# Altium PCB miniBackplane.PcbDoc (part 4 of 24)
Units mil, origin at the board's own origin, x right, y up, seen from the top; angles counter-clockwise.
Board outline 17285.63 x 8582.68 mil, 6 copper layers (Top Layer, Mid-Layer 1, GND, PWR, Mid-Layer 2, Bottom Layer), stack 62.362 mil thick; 519 components, 474 nets, 2434 pads, 1493 vias.
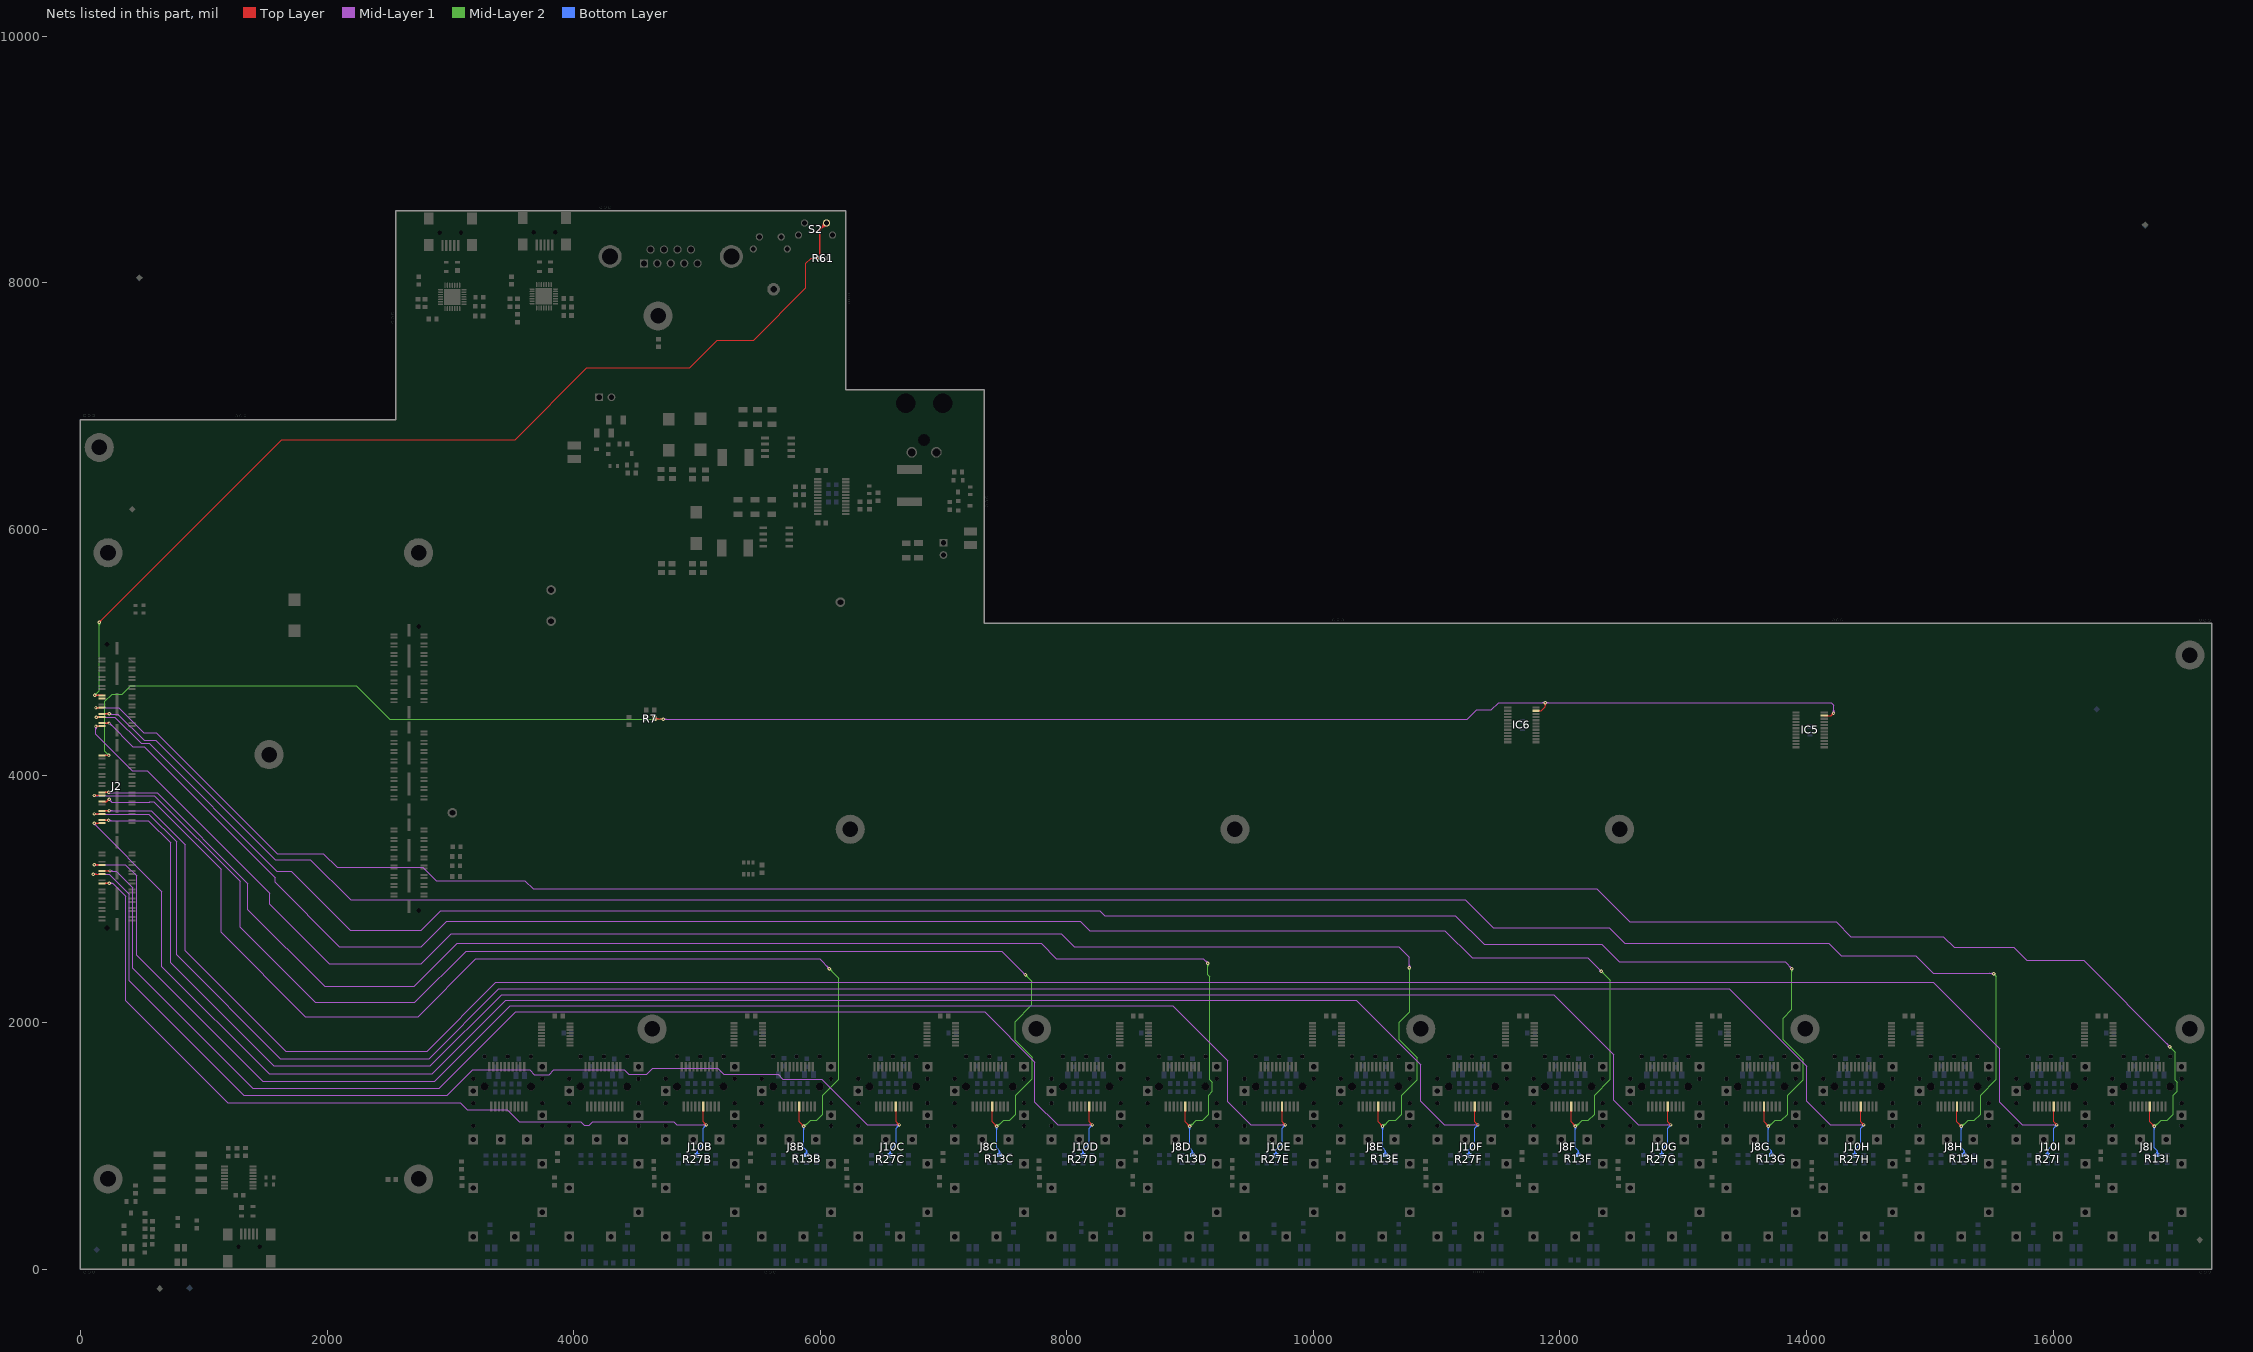
[diagram p8: the nets of this part, all layers, seen from the top]

## Via types
v1: diameter 27.56, hole 11.81, Top Layer to Bottom Layer, tented both sides, 1347 vias
v2: diameter 23.62, hole 11.81, Top Layer to Bottom Layer, tented both sides, 146 vias

## Nets (pads, with @x,y where several pads share a name; then routed paths per layer and width w, separated by ;. In a path a pad name is that pad's centre, name@x,y a point inside that pad or via, vN(x,y) a via of type N, cw(c..) or ccw(c..) an arc to the next point about the centre after c; other vN are vias at no path point) (continued)
ARM_2V5_GPIO_PD14: J2.79 R61.2 S2.1 | length 8955
  Top Layer w7.87: v1@151.61,5246.93 ccw(c147.83,5265.34) 165.99,5260.48 ; v1(152,5245) 1634,6727 3526,6727 4108,7309 4941,7309 5167,7535 5461,7535 5884,7958 5884,8157 5926,8199 R61.2@5995.5,8199 ; v1@153.93,5244.61 cw(c172.34,5240.83) 167.48,5258.99 ; 168.8,5261.8 ccw(c185.6,5245) 161.84,5245 cw(c185.6,5245) 168.8,5261.8 ; 168.8,5261.8 cw(c152,5278.6) 152,5254.84 ccw(c152,5278.6) 168.8,5261.8 ; 5962.24,8199 ccw(c5962.24,8232.27) 5985.76,8208.74 cw(c5962.24,8232.27) 5962.24,8199 ; 5962.24,8199 cw(c5962.24,8165.73) 5985.76,8189.26 ccw(c5962.24,8165.73) 5962.24,8199
  Top Layer w11.81: v1@115,4653 v1(115.79,4653.79) J2.79@174.94,4653.79 ; R61.2@5995.5,8199 5995.5,8429.5 S2.1@6051,8485 ; 6019.4,8455.24 cw(c6059.28,8444.55) S2.1@6051,8485 ; 6021.24,8453.4 ccw(c6010.55,8493.28) S2.1@6051,8485 ; 134.8,4653.79 ccw(c134.8,4634.78) 121.36,4648.22 cw(c134.8,4634.78) 134.8,4653.79 ; 134.8,4653.79 cw(c134.8,4672.8) 121.36,4659.36 ccw(c134.8,4672.8) 134.8,4653.79 ; 5995.5,8229.48 ccw(c6024.02,8229.48) 6003.86,8209.32 cw(c6024.02,8229.48) 5995.5,8229.48 ; 5995.5,8229.48 cw(c5966.99,8229.48) 5987.15,8209.32 ccw(c5966.99,8229.48) 5995.5,8229.48 ; 6010.67,8444.67 ccw(c5970.35,8485) 6027.38,8485 cw(c5970.35,8485) 6010.67,8444.67 ; 6010.67,8444.67 cw(c6051,8404.35) 6051,8461.38 ccw(c6051,8404.35) 6010.67,8444.67
  Mid-Layer 2 w7.09: v1(115.79,4653.79) 152,4690 v1(152,5245) ; 133.27,4671.27 ccw(c150.74,4653.79) 126.03,4653.79 cw(c150.74,4653.79) 133.27,4671.27 ; 133.27,4671.27 cw(c115.79,4688.74) 115.79,4664.03 ccw(c115.79,4688.74) 133.27,4671.27 ; 152,5220.29 ccw(c127.29,5220.29) 144.76,5237.76 cw(c127.29,5220.29) 152,5220.29 ; 152,5220.29 cw(c176.71,5220.29) 159.24,5237.76 ccw(c176.71,5220.29) 152,5220.29
ARM_2V5_GPIO_PD15: J2.77
ARM_2V5_GPIO_PE0: J2.39 J10I.6 R27I.1 | length 19169.6
  Top Layer w7.87: J2.39@174.94,3716.29 v1(232.04,3716.29) ; J10I.6@16005.71,1320.05 16005.71,1193.61 v1(16030.69,1168.62) ; 16015.22,1182.61 cw(c16010.35,1164.46) v1@16028.76,1168.23 ; 16016.7,1184.1 ccw(c16034.86,1188.96) v1@16031.09,1170.55 ; 205.12,3716.29 ccw(c205.12,3706.79) 198.39,3713.51 cw(c205.12,3706.79) 205.12,3716.29 ; 205.12,3716.29 cw(c205.12,3725.8) 198.39,3719.08 ccw(c205.12,3725.8) 205.12,3716.29 ; 208.28,3716.29 ccw(c208.28,3740.05) 225.08,3723.25 cw(c208.28,3740.05) 208.28,3716.29 ; 208.28,3716.29 cw(c208.28,3692.53) 225.08,3709.33 ccw(c208.28,3692.53) 208.28,3716.29 ; 16005.71,1274.6 ccw(c15991.45,1274.6) 16001.53,1284.68 cw(c15991.45,1274.6) 16005.71,1274.6 ; 16005.71,1274.6 cw(c16019.97,1274.6) 16009.88,1284.68 ccw(c16019.97,1274.6) 16005.71,1274.6 ; 16013.89,1185.42 ccw(c16030.69,1202.23) 16030.69,1178.46 cw(c16030.69,1202.23) 16013.89,1185.42 ; 16013.89,1185.42 cw(c15997.09,1168.62) 16020.85,1168.62 ccw(c15997.09,1168.62) 16013.89,1185.42
  Mid-Layer 1 w7.09: v1@232.04,3716.54 575.46,3716.54 850.39,3441.61 850.39,2582.68 1665.35,1767.72 2811.02,1767.72 3369.09,2325.79 15028.39,2325.79 15566.75,1787.43 15566.75,1353.25 15751.38,1168.62 v1(16030.69,1168.62) ; 16005.98,1168.62 ccw(c16005.98,1193.33) 16023.45,1175.86 cw(c16005.98,1193.33) 16005.98,1168.62 ; 16005.98,1168.62 cw(c16005.98,1143.91) 16023.45,1161.38 ccw(c16005.98,1143.91) 16005.98,1168.62 ; v1@239.28,3709.05 cw(c257.34,3690.99) 257.34,3716.54 ccw(c257.34,3690.99) v1@239.28,3709.05 ; v1@239.28,3723.53 ccw(c256.16,3740.41) 256.16,3716.54 cw(c256.16,3740.41) v1@239.28,3723.53
  Bottom Layer w7.87: R27I.1@15956.38,922.53 15956.38,969.31 16005.69,1018.62 16005.69,1143.62 v1(16030.69,1168.62) ; 15956.38,955.79 ccw(c15989.64,955.79) 15966.12,932.27 cw(c15989.64,955.79) 15956.38,955.79 ; 15956.38,955.79 cw(c15923.11,955.79) 15946.63,932.27 ccw(c15923.11,955.79) 15956.38,955.79 ; 16013.89,1151.82 ccw(c15997.09,1168.62) 16020.85,1168.62 cw(c15997.09,1168.62) 16013.89,1151.82 ; 16013.89,1151.82 cw(c16030.69,1135.02) 16030.69,1158.78 ccw(c16030.69,1135.02) 16013.89,1151.82
ARM_2V5_GPIO_PE1: J2.73 J8I.6 R13I.1 | length 20096.7
  Top Layer w7.87: v1@125.98,4553.79 J2.73@174.94,4553.79 ; 144.14,4550.6 ccw(c141.27,4561.3) J2.73@150.86,4555.76 ; 146.28,4551.17 cw(c148.34,4543.51) J2.73@152.3,4550.38 ; J8I.6@16785.71,1320.05 16785.71,1193.61 v1(16820.69,1158.62) ; 16805.22,1172.61 cw(c16800.35,1154.46) v1@16818.76,1158.23 ; 16806.7,1174.1 ccw(c16824.86,1178.96) v1@16821.09,1160.55 ; 144.77,4553.79 ccw(c144.77,4563.3) 151.49,4556.58 cw(c144.77,4563.3) 144.77,4553.79 ; 144.77,4553.79 cw(c144.77,4544.29) 151.49,4551.01 ccw(c144.77,4544.29) 144.77,4553.79 ; 16785.71,1274.6 ccw(c16771.45,1274.6) 16781.53,1284.68 cw(c16771.45,1274.6) 16785.71,1274.6 ; 16785.71,1274.6 cw(c16799.97,1274.6) 16789.88,1284.68 ccw(c16799.97,1274.6) 16785.71,1274.6 ; 16803.89,1175.42 ccw(c16820.69,1192.23) 16820.69,1168.46 cw(c16820.69,1192.23) 16803.89,1175.42 ; 16803.89,1175.42 cw(c16787.09,1158.62) 16810.85,1158.62 ccw(c16787.09,1158.62) 16803.89,1175.42 ; v1@132.94,4544.22 cw(c156.05,4521.12) 156.05,4553.79 ccw(c156.05,4521.12) v1@132.94,4544.22 ; v1@132.94,4558.14 ccw(c143.44,4568.64) 143.44,4553.79 cw(c143.44,4568.64) v1@132.94,4558.14
  Mid-Layer 1 w7.09: v1(125.98,4551.18) 311.82,4551.18 512,4351 616,4351 1598,3369 1971,3369 2082.13,3257.87 2778.54,3257.87 2886.81,3149.61 3605.31,3149.61 3671.26,3083.66 12298.23,3083.66 12566.93,2814.96 14240.16,2814.96 14358.27,2696.85 15110.24,2696.85 15196.85,2610.24 15681.1,2610.24 15787.4,2503.94 16248.03,2503.94 v1@16947.37,1804.6 ; 16933.6,1810.93 ccw(c16949.57,1815.21) v1@16944.78,1799.39 ; 150.7,4551.18 ccw(c150.7,4526.47) 133.22,4543.94 cw(c150.7,4526.47) 150.7,4551.18 ; 150.7,4551.18 cw(c150.7,4575.89) 133.22,4558.42 ccw(c150.7,4575.89) 150.7,4551.18 ; 16926.4,1825.57 cw(c16904,1803.16) 16935.69,1803.16 ccw(c16904,1803.16) 16926.4,1825.57 ; 16933.38,1818.59 ccw(c16945.92,1831.13) 16945.92,1813.39 cw(c16945.92,1831.13) 16933.38,1818.59
  Mid-Layer 2 w7.09: v1@16817.15,1160.34 cw(c16836.15,1151.15) 16830.69,1171.54 ; v1(16820.69,1158.62) 16829.81,1158.62 16876.75,1205.56 16926.75,1205.56 16976.75,1255.56 16976.75,1410.56 17006.75,1440.56 17006.75,1515.56 16989.25,1533.05 16989.25,1759.83 v1(16945.92,1803.16) ; v1@16823.53,1157.25 cw(c16854.57,1142.24) 16845.64,1175.54 ; v1@16825.81,1167.49 ccw(c16832.97,1179.89) 16836.68,1166.06 ; 16963.4,1785.68 ccw(c16945.92,1768.21) 16945.92,1792.92 cw(c16945.92,1768.21) 16963.4,1785.68 ; 16963.4,1785.68 cw(c16980.87,1803.16) 16956.16,1803.16 ccw(c16980.87,1803.16) 16963.4,1785.68 ; v1@16820.69,1161.77 ccw(c16820.69,1191.39) 16841.64,1170.45 cw(c16820.69,1191.39) v1@16820.69,1161.77 ; v1@16820.69,1168.86 ccw(c16820.69,1215.58) 16853.73,1182.54 cw(c16820.69,1215.58) v1@16820.69,1168.86
  Bottom Layer w7.87: v1(16820.69,1158.62) 16820.69,983.62 16843.88,960.44 R13I.1@16843.88,925.12 ; 16820.69,1134.86 ccw(c16796.93,1134.86) 16813.73,1151.66 cw(c16796.93,1134.86) 16820.69,1134.86 ; 16820.69,1134.86 cw(c16844.45,1134.86) 16827.65,1151.66 ccw(c16844.45,1134.86) 16820.69,1134.86 ; 16843.88,958.38 ccw(c16877.14,958.38) 16853.62,934.86 cw(c16877.14,958.38) 16843.88,958.38 ; 16843.88,958.38 cw(c16810.61,958.38) 16834.13,934.86 ccw(c16810.61,958.38) 16843.88,958.38
ARM_2V5_GPIO_PE2: J2.37 J10H.6 R27H.1 | length 17693.3
  Top Layer w7.87: v1@104.68,3691.29 J2.37@174.94,3691.29 ; v1@118.2,3688.98 v1@120.52,3691.29 ; J10H.6@14440.71,1320.05 14440.71,1193.61 v1(14465.69,1168.62) ; 14450.22,1182.61 cw(c14445.35,1164.46) v1@14463.76,1168.23 ; 14451.7,1184.1 ccw(c14469.86,1188.96) v1@14466.09,1170.55 ; 134.44,3691.29 ccw(c134.44,3667.53) 117.64,3684.33 cw(c134.44,3667.53) 134.44,3691.29 ; 134.44,3691.29 cw(c134.44,3715.05) 117.64,3698.25 ccw(c134.44,3715.05) 134.44,3691.29 ; 144.77,3691.29 ccw(c144.77,3700.8) 151.49,3694.08 cw(c144.77,3700.8) 144.77,3691.29 ; 144.77,3691.29 cw(c144.77,3681.79) 151.49,3688.51 ccw(c144.77,3681.79) 144.77,3691.29 ; 14440.71,1274.6 ccw(c14426.45,1274.6) 14436.53,1284.68 cw(c14426.45,1274.6) 14440.71,1274.6 ; 14440.71,1274.6 cw(c14454.97,1274.6) 14444.88,1284.68 ccw(c14454.97,1274.6) 14440.71,1274.6 ; 14448.89,1185.42 ccw(c14465.69,1202.23) 14465.69,1178.46 cw(c14465.69,1202.23) 14448.89,1185.42 ; 14448.89,1185.42 cw(c14432.09,1168.62) 14455.85,1168.62 ccw(c14432.09,1168.62) 14448.89,1185.42
  Mid-Layer 1 w7.09: v1@104.68,3688.98 106.5,3690.8 553.2,3690.8 779.53,3464.47 779.53,2549.21 1621.06,1707.68 2827.76,1707.68 3394.68,2274.61 13375,2274.61 ; 13374.51,2274.11 14001.75,1646.87 14001.75,1359.25 14192.38,1168.62 v1(14465.69,1168.62) ; 14440.98,1168.62 ccw(c14440.98,1193.33) 14458.45,1175.86 cw(c14440.98,1193.33) 14440.98,1168.62 ; 14440.98,1168.62 cw(c14440.98,1143.91) 14458.45,1161.38 ccw(c14440.98,1143.91) 14440.98,1168.62 ; v1@117.92,3684.05 cw(c134.21,3667.76) 134.21,3690.8 ccw(c134.21,3667.76) v1@117.92,3684.05 ; v1@117.92,3698.53 ccw(c136.57,3717.18) 136.57,3690.8 cw(c136.57,3717.18) v1@117.92,3698.53
  Bottom Layer w7.87: R27H.1@14391.38,922.53 14391.38,969.31 14440.69,1018.62 14440.69,1143.62 v1(14465.69,1168.62) ; 14391.38,955.79 ccw(c14424.64,955.79) 14401.12,932.27 cw(c14424.64,955.79) 14391.38,955.79 ; 14391.38,955.79 cw(c14358.11,955.79) 14381.63,932.27 ccw(c14358.11,955.79) 14391.38,955.79 ; 14448.89,1151.82 ccw(c14432.09,1168.62) 14455.85,1168.62 cw(c14432.09,1168.62) 14448.89,1151.82 ; 14448.89,1151.82 cw(c14465.69,1135.02) 14465.69,1158.78 ccw(c14465.69,1135.02) 14448.89,1151.82
  other v1: 110.68,3691.29
ARM_2V5_GPIO_PE3: J2.71 J8H.6 R13H.1 | length 18951.8
  Top Layer w7.87: J2.71@174.94,4503.79 v1(232.14,4503.79) ; J8H.6@15220.71,1320.05 15220.71,1193.61 v1(15255.69,1158.62) ; 15240.22,1172.61 cw(c15235.35,1154.46) v1@15253.76,1158.23 ; 15241.7,1174.1 ccw(c15259.86,1178.96) v1@15256.09,1160.55 ; 205.12,4503.79 ccw(c205.12,4494.29) 198.39,4501.01 cw(c205.12,4494.29) 205.12,4503.79 ; 205.12,4503.79 cw(c205.12,4513.3) 198.39,4506.58 ccw(c205.12,4513.3) 205.12,4503.79 ; 208.38,4503.79 ccw(c208.38,4527.55) 225.18,4510.75 cw(c208.38,4527.55) 208.38,4503.79 ; 208.38,4503.79 cw(c208.38,4480.03) 225.18,4496.83 ccw(c208.38,4480.03) 208.38,4503.79 ; 15220.71,1274.6 ccw(c15206.45,1274.6) 15216.53,1284.68 cw(c15206.45,1274.6) 15220.71,1274.6 ; 15220.71,1274.6 cw(c15234.97,1274.6) 15224.88,1284.68 ccw(c15234.97,1274.6) 15220.71,1274.6 ; 15238.89,1175.42 ccw(c15255.69,1192.23) 15255.69,1168.46 cw(c15255.69,1192.23) 15238.89,1175.42 ; 15238.89,1175.42 cw(c15222.09,1158.62) 15245.85,1158.62 ccw(c15222.09,1158.62) 15238.89,1175.42
  Mid-Layer 1 w7.09: v1@232.14,4500 304,4500 516,4288 611,4288 1579,3320 1865.04,3320 2190.94,2994.09 11234.25,2994.09 11460.63,2767.72 12401.57,2767.72 12527.56,2641.73 14181.1,2641.73 14283.46,2539.37 14885.83,2539.37 15027.56,2397.64 v1@15519.69,2397.64 ; v1@234.36,4506.02 ccw(c248.89,4520.55) 248.89,4500 cw(c248.89,4520.55) v1@234.36,4506.02 ; v1@239.38,4496.55 cw(c247.7,4488.23) 247.7,4500 ccw(c247.7,4488.23) v1@239.38,4496.55 ; v1@239.38,4511.03 ccw(c266,4537.66) 266,4500 cw(c266,4537.66) v1@239.38,4511.03 ; 15485.47,2397.64 cw(c15485.47,2359.48) 15512.45,2386.46 ccw(c15485.47,2359.48) 15485.47,2397.64 ; 15502.58,2397.64 cw(c15502.58,2376.59) 15517.46,2391.47 ccw(c15502.58,2376.59) 15502.58,2397.64 ; 15504.48,2397.64 ccw(c15504.48,2408.91) 15512.45,2400.94 cw(c15504.48,2408.91) 15504.48,2397.64
  Mid-Layer 2 w7.09: v1@15252.15,1160.34 cw(c15271.15,1151.15) 15265.69,1171.54 ; v1(15255.69,1158.62) 15264.81,1158.62 15311.75,1205.56 15361.75,1205.56 15411.75,1255.56 15411.75,1410.56 15539.37,1538.18 15539.37,2374.02 v1(15519.69,2393.7) ; v1@15258.53,1157.25 cw(c15289.57,1142.24) 15280.64,1175.54 ; v1@15260.81,1167.49 ccw(c15267.97,1179.89) 15271.68,1166.06 ; 15537.16,2376.23 ccw(c15519.69,2358.75) 15519.69,2383.46 cw(c15519.69,2358.75) 15537.16,2376.23 ; 15537.16,2376.23 cw(c15554.63,2393.7) 15529.92,2393.7 ccw(c15554.63,2393.7) 15537.16,2376.23 ; v1@15255.69,1161.77 ccw(c15255.69,1191.39) 15276.64,1170.45 cw(c15255.69,1191.39) v1@15255.69,1161.77 ; v1@15255.69,1168.86 ccw(c15255.69,1215.58) 15288.73,1182.54 cw(c15255.69,1215.58) v1@15255.69,1168.86
  Bottom Layer w7.87: v1(15255.69,1158.62) 15255.69,983.62 15278.88,960.44 R13H.1@15278.88,925.12 ; 15255.69,1134.86 ccw(c15231.93,1134.86) 15248.73,1151.66 cw(c15231.93,1134.86) 15255.69,1134.86 ; 15255.69,1134.86 cw(c15279.45,1134.86) 15262.65,1151.66 ccw(c15279.45,1134.86) 15255.69,1134.86 ; 15278.88,958.38 ccw(c15312.14,958.38) 15288.62,934.86 cw(c15312.14,958.38) 15278.88,958.38 ; 15278.88,958.38 cw(c15245.61,958.38) 15269.13,934.86 ccw(c15245.61,958.38) 15278.88,958.38
ARM_2V5_GPIO_PE4: J2.35 J10G.6 R27G.1 | length 16089.9
  Top Layer w7.87: J2.35@174.94,3641.29 v1(227.91,3641.29) ; J10G.6@12875.71,1320.05 12875.71,1193.61 v1(12900.69,1168.62) ; 12885.22,1182.61 cw(c12880.35,1164.46) v1@12898.76,1168.23 ; 12886.7,1184.1 ccw(c12904.86,1188.96) v1@12901.09,1170.55 ; 204.14,3641.29 ccw(c204.14,3665.05) 220.95,3648.25 cw(c204.14,3665.05) 204.14,3641.29 ; 204.14,3641.29 cw(c204.14,3617.53) 220.95,3634.33 ccw(c204.14,3617.53) 204.14,3641.29 ; 205.12,3641.29 ccw(c205.12,3631.79) 198.39,3638.51 cw(c205.12,3631.79) 205.12,3641.29 ; 205.12,3641.29 cw(c205.12,3650.8) 198.39,3644.08 ccw(c205.12,3650.8) 205.12,3641.29 ; 12875.71,1274.6 ccw(c12861.45,1274.6) 12871.53,1284.68 cw(c12861.45,1274.6) 12875.71,1274.6 ; 12875.71,1274.6 cw(c12889.97,1274.6) 12879.88,1284.68 ccw(c12889.97,1274.6) 12875.71,1274.6 ; 12883.89,1185.42 ccw(c12900.69,1202.23) 12900.69,1178.46 cw(c12900.69,1202.23) 12883.89,1185.42 ; 12883.89,1185.42 cw(c12867.09,1168.62) 12890.85,1168.62 ccw(c12867.09,1168.62) 12883.89,1185.42
  Mid-Layer 1 w7.09: v1@227.91,3649.61 240.31,3637.2 550.8,3637.2 732.28,3455.72 732.28,2485.24 1568.9,1648.62 2838.58,1648.62 3416.34,2226.38 11949.8,2226.38 ; 11948.82,2225.39 12436.75,1737.46 12436.75,1368.25 12636.38,1168.62 v1(12900.69,1168.62) ; 12875.98,1168.62 ccw(c12875.98,1193.33) 12893.45,1175.86 cw(c12875.98,1193.33) 12875.98,1168.62 ; 12875.98,1168.62 cw(c12875.98,1143.91) 12893.45,1161.38 ccw(c12875.98,1143.91) 12875.98,1168.62 ; v1@230.13,3643.52 ccw(c245.39,3658.78) 245.39,3637.2 cw(c245.39,3658.78) v1@230.13,3643.52 ; v1@235.14,3634.05 cw(c242.73,3626.46) 242.73,3637.2 ccw(c242.73,3626.46) v1@235.14,3634.05 ; v1@235.14,3648.53 ccw(c262.5,3675.89) 262.5,3637.2 cw(c262.5,3675.89) v1@235.14,3648.53
  Bottom Layer w7.87: R27G.1@12826.38,922.53 12826.38,969.31 12875.69,1018.62 12875.69,1143.62 v1(12900.69,1168.62) ; 12826.38,955.79 ccw(c12859.64,955.79) 12836.12,932.27 cw(c12859.64,955.79) 12826.38,955.79 ; 12826.38,955.79 cw(c12793.11,955.79) 12816.63,932.27 ccw(c12793.11,955.79) 12826.38,955.79 ; 12883.89,1151.82 ccw(c12867.09,1168.62) 12890.85,1168.62 cw(c12867.09,1168.62) 12883.89,1151.82 ; 12883.89,1151.82 cw(c12900.69,1135.02) 12900.69,1158.78 ccw(c12900.69,1135.02) 12883.89,1151.82
ARM_2V5_GPIO_PE5: J2.69 J8G.6 R13G.1 | length 17593.2
  Top Layer w7.87: v1@127.15,4478.79 J2.69@174.94,4478.79 ; 143.77,4475.32 ccw(c140.74,4486.6) J2.69@150.86,4480.76 ; J2.69@146.74,4476.11 cw(c148.64,4469.04) J2.69@152.3,4475.38 ; J8G.6@13655.71,1320.05 13655.71,1193.61 v1(13690.69,1158.62) ; 13675.22,1172.61 cw(c13670.35,1154.46) v1@13688.76,1158.23 ; 13676.7,1174.1 ccw(c13694.86,1178.96) v1@13691.09,1160.55 ; 144.77,4478.79 ccw(c144.77,4488.3) 151.49,4481.58 cw(c144.77,4488.3) 144.77,4478.79 ; 144.77,4478.79 cw(c144.77,4469.29) 151.49,4476.01 ccw(c144.77,4469.29) 144.77,4478.79 ; 13655.71,1274.6 ccw(c13641.45,1274.6) 13651.53,1284.68 cw(c13641.45,1274.6) 13655.71,1274.6 ; 13655.71,1274.6 cw(c13669.97,1274.6) 13659.88,1284.68 ccw(c13669.97,1274.6) 13655.71,1274.6 ; 13673.89,1175.42 ccw(c13690.69,1192.23) 13690.69,1168.46 cw(c13690.69,1192.23) 13673.89,1175.42 ; 13673.89,1175.42 cw(c13657.09,1158.62) 13680.85,1158.62 ccw(c13657.09,1158.62) 13673.89,1175.42 ; v1@134.11,4469.42 cw(c156.74,4446.79) 156.74,4478.79 ccw(c156.74,4446.79) v1@134.11,4469.42 ; v1@134.11,4483.34 ccw(c145.09,4494.31) 145.09,4478.79 cw(c145.09,4494.31) v1@134.11,4483.34
  Mid-Layer 1 w7.09: v1(127.15,4476.38) 279.62,4476.38 492,4264 557,4264 1594,3227 1710.99,3227 2187.99,2750 2763.78,2750 2921.26,2907.48 8269.68,2907.48 8310.04,2867.13 11152.56,2867.13 11385.83,2633.86 12338.58,2633.86 12480.31,2492.13 13826.09,2492.13 v1(13881.21,2437.01) ; 151.86,4476.38 ccw(c151.86,4451.67) 134.39,4469.14 cw(c151.86,4451.67) 151.86,4476.38 ; 151.86,4476.38 cw(c151.86,4501.09) 134.39,4483.62 ccw(c151.86,4501.09) 151.86,4476.38 ; 13863.73,2454.48 ccw(c13881.21,2471.96) 13881.21,2447.24 cw(c13881.21,2471.96) 13863.73,2454.48 ; 13863.73,2454.48 cw(c13846.26,2437.01) 13870.97,2437.01 ccw(c13846.26,2437.01) 13863.73,2454.48
  Mid-Layer 2 w7.09: v1@13687.15,1160.34 cw(c13706.15,1151.15) 13700.69,1171.54 ; v1(13690.69,1158.62) 13699.81,1158.62 13746.75,1205.56 13796.75,1205.56 13846.75,1255.56 13846.75,1410.56 13972.42,1536.23 13972.42,1696.98 13811.02,1858.37 13811.02,2035.43 13881.21,2105.61 v1(13881.21,2437.01) ; v1@13693.53,1157.25 cw(c13724.57,1142.24) 13715.64,1175.54 ; v1@13695.81,1167.49 ccw(c13702.97,1179.89) 13706.68,1166.06 ; 13881.21,2412.3 ccw(c13856.49,2412.3) 13873.97,2429.77 cw(c13856.49,2412.3) 13881.21,2412.3 ; 13881.21,2412.3 cw(c13905.92,2412.3) 13888.44,2429.77 ccw(c13905.92,2412.3) 13881.21,2412.3 ; v1@13690.69,1161.77 ccw(c13690.69,1191.39) 13711.64,1170.45 cw(c13690.69,1191.39) v1@13690.69,1161.77 ; v1@13690.69,1168.86 ccw(c13690.69,1215.58) 13723.73,1182.54 cw(c13690.69,1215.58) v1@13690.69,1168.86
  Bottom Layer w7.87: v1(13690.69,1158.62) 13690.69,983.62 13713.88,960.44 R13G.1@13713.88,925.12 ; 13690.69,1134.86 ccw(c13666.93,1134.86) 13683.73,1151.66 cw(c13666.93,1134.86) 13690.69,1134.86 ; 13690.69,1134.86 cw(c13714.45,1134.86) 13697.65,1151.66 ccw(c13714.45,1134.86) 13690.69,1134.86 ; 13713.88,958.38 ccw(c13747.14,958.38) 13723.62,934.86 cw(c13747.14,958.38) 13713.88,958.38 ; 13713.88,958.38 cw(c13680.61,958.38) 13704.13,934.86 ccw(c13680.61,958.38) 13713.88,958.38
ARM_2V5_GPIO_PE6: J2.33 J10F.6 R27F.1 | length 14417.1
  Top Layer w7.87: v1@108.12,3616.29 J2.33@174.94,3616.29 ; J10F.6@11310.71,1320.05 11310.71,1193.61 v1(11335.69,1168.62) ; 11320.22,1182.61 cw(c11315.35,1164.46) v1@11333.76,1168.23 ; 11321.7,1184.1 ccw(c11339.86,1188.96) v1@11336.09,1170.55 ; 134.44,3616.29 ccw(c134.44,3592.53) 117.64,3609.33 cw(c134.44,3592.53) 134.44,3616.29 ; 134.44,3616.29 cw(c134.44,3640.05) 117.64,3623.25 ccw(c134.44,3640.05) 134.44,3616.29 ; 144.77,3616.29 ccw(c144.77,3625.8) 151.49,3619.08 cw(c144.77,3625.8) 144.77,3616.29 ; 144.77,3616.29 cw(c144.77,3606.79) 151.49,3613.51 ccw(c144.77,3606.79) 144.77,3616.29 ; 11310.71,1274.6 ccw(c11296.45,1274.6) 11306.53,1284.68 cw(c11296.45,1274.6) 11310.71,1274.6 ; 11310.71,1274.6 cw(c11324.97,1274.6) 11314.88,1284.68 ccw(c11324.97,1274.6) 11310.71,1274.6 ; 11318.89,1185.42 ccw(c11335.69,1202.23) 11335.69,1178.46 cw(c11335.69,1202.23) 11318.89,1185.42 ; 11318.89,1185.42 cw(c11302.09,1168.62) 11325.85,1168.62 ccw(c11302.09,1168.62) 11318.89,1185.42
  Mid-Layer 1 w7.09: v1@108.71,3614.17 661.42,3061.46 661.42,2452.76 1531.5,1582.68 2852.36,1582.68 3450.79,2181.1 10349.41,2181.1 10871.75,1658.76 10871.75,1360.25 11063.38,1168.62 v1(11335.69,1168.62) ; v1@111.94,3620.02 cw(c106.36,3603.6) 123.11,3608.09 ; 11310.98,1168.62 ccw(c11310.98,1193.33) 11328.45,1175.86 cw(c11310.98,1193.33) 11310.98,1168.62 ; 11310.98,1168.62 cw(c11310.98,1143.91) 11328.45,1161.38 ccw(c11310.98,1143.91) 11310.98,1168.62 ; v1@110.68,3606.06 cw(c110.68,3591.21) 121.18,3601.71 ccw(c110.68,3591.21) v1@110.68,3606.06 ; v1@113.83,3616.29 ccw(c131.3,3616.29) 118.94,3603.94 cw(c131.3,3616.29) v1@113.83,3616.29 ; v1@120.91,3616.29 ccw(c155.49,3616.29) 131.04,3591.84 cw(c155.49,3616.29) v1@120.91,3616.29
  Bottom Layer w7.87: R27F.1@11261.38,922.53 11261.38,969.31 11310.69,1018.62 11310.69,1143.62 v1(11335.69,1168.62) ; 11261.38,955.79 ccw(c11294.64,955.79) 11271.12,932.27 cw(c11294.64,955.79) 11261.38,955.79 ; 11261.38,955.79 cw(c11228.11,955.79) 11251.63,932.27 ccw(c11228.11,955.79) 11261.38,955.79 ; 11318.89,1151.82 ccw(c11302.09,1168.62) 11325.85,1168.62 cw(c11302.09,1168.62) 11318.89,1151.82 ; 11318.89,1151.82 cw(c11335.69,1135.02) 11335.69,1158.78 ccw(c11335.69,1135.02) 11318.89,1151.82